# Altium PCB rfid.PcbDoc
Units mm, origin at the board's own origin, x right, y up, seen from the top; angles counter-clockwise.
Board outline 75 x 75 mm, 2 copper layers (Top Layer, Bottom Layer); 15 components, 59 nets, 51 pads, 6 vias.
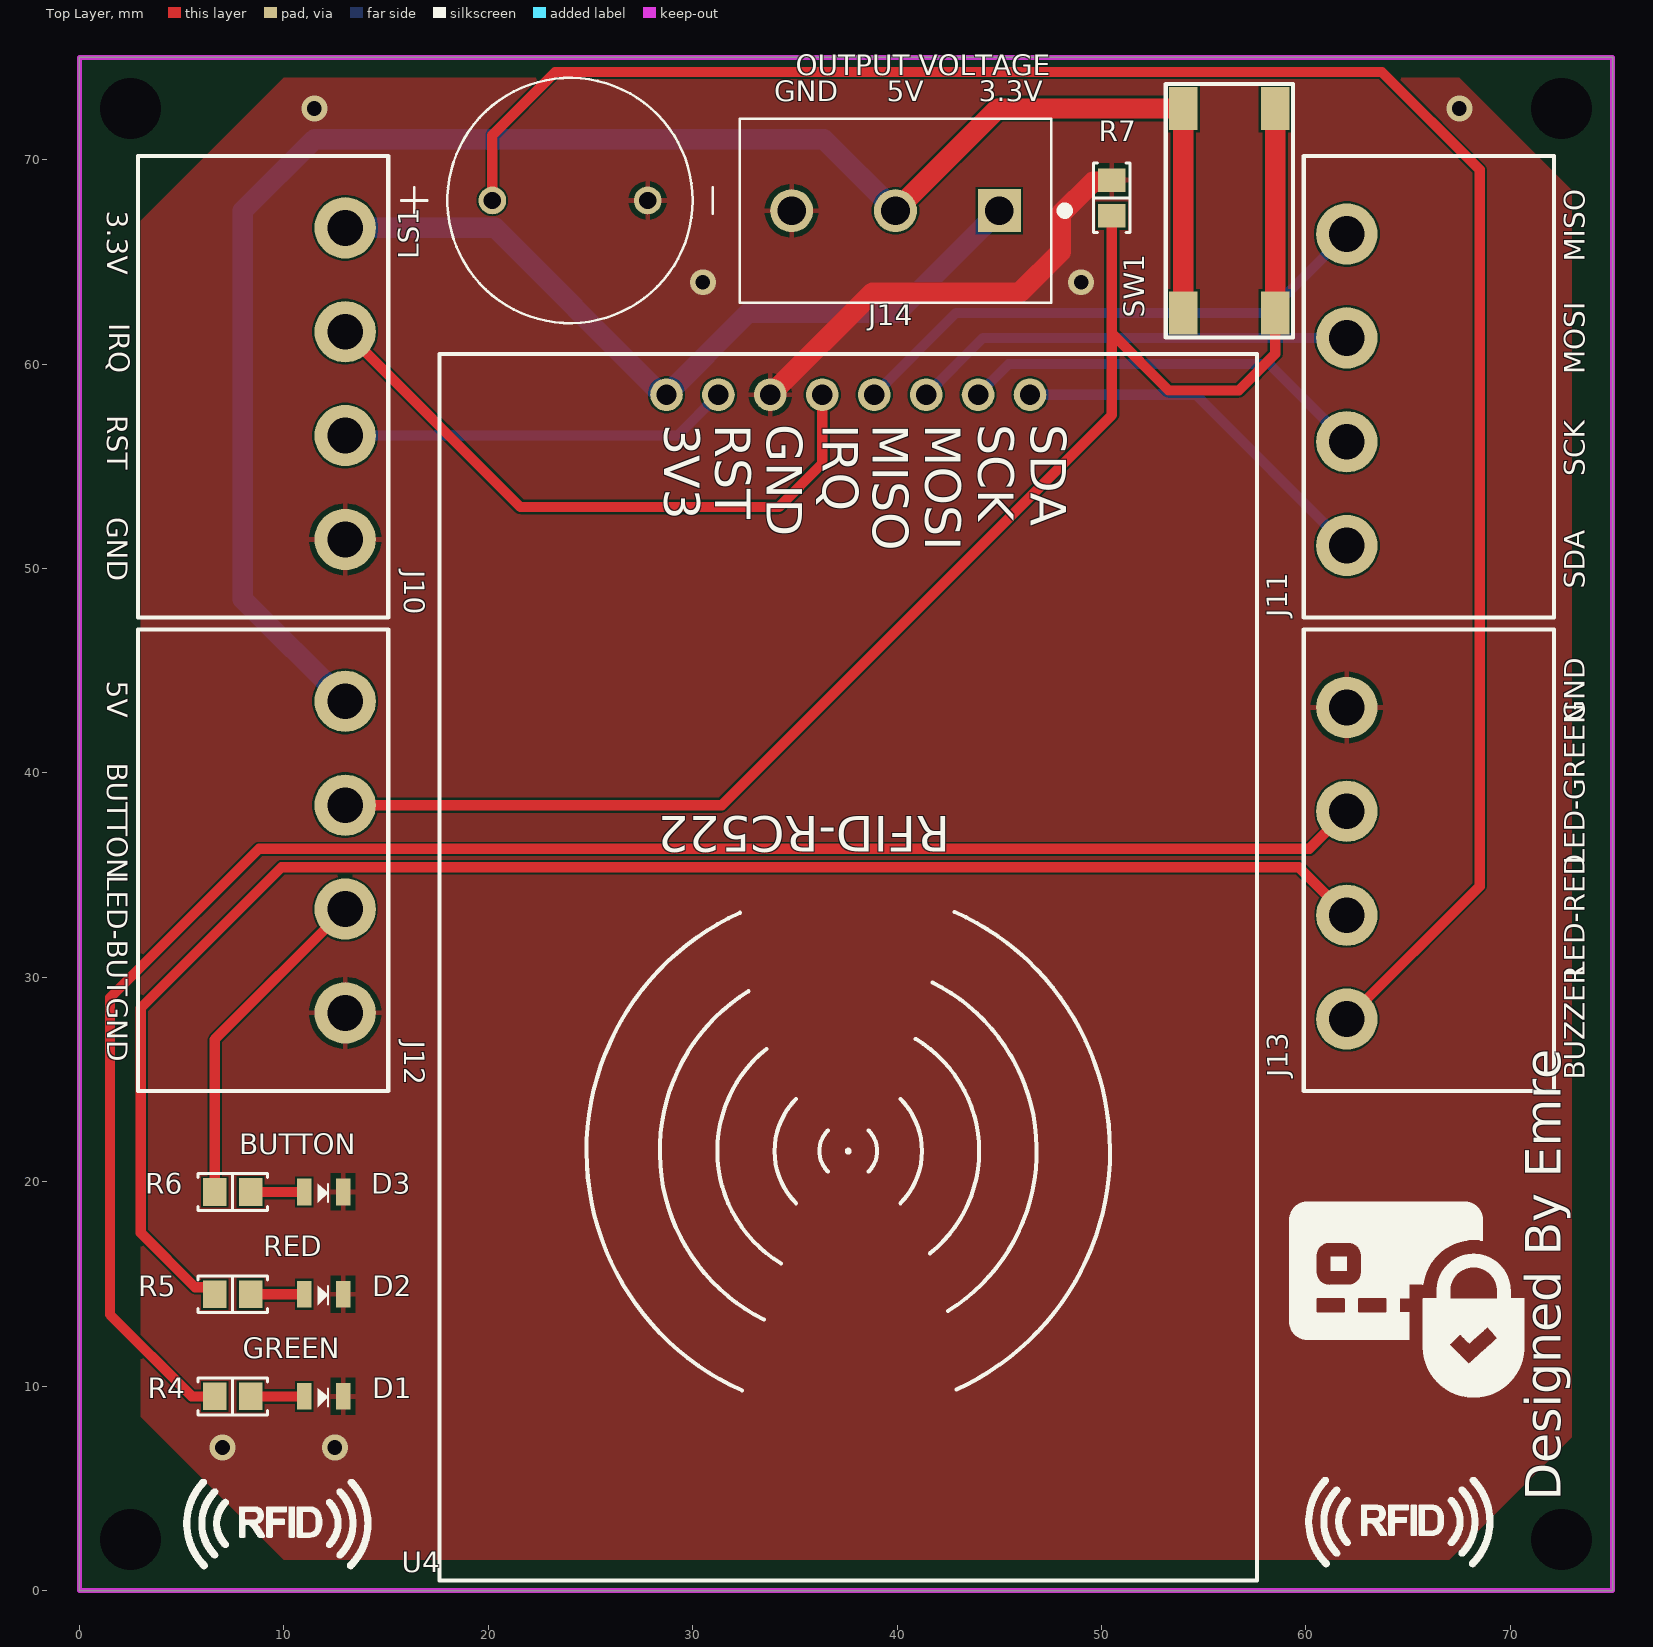
[diagram p0: Top Layer view]
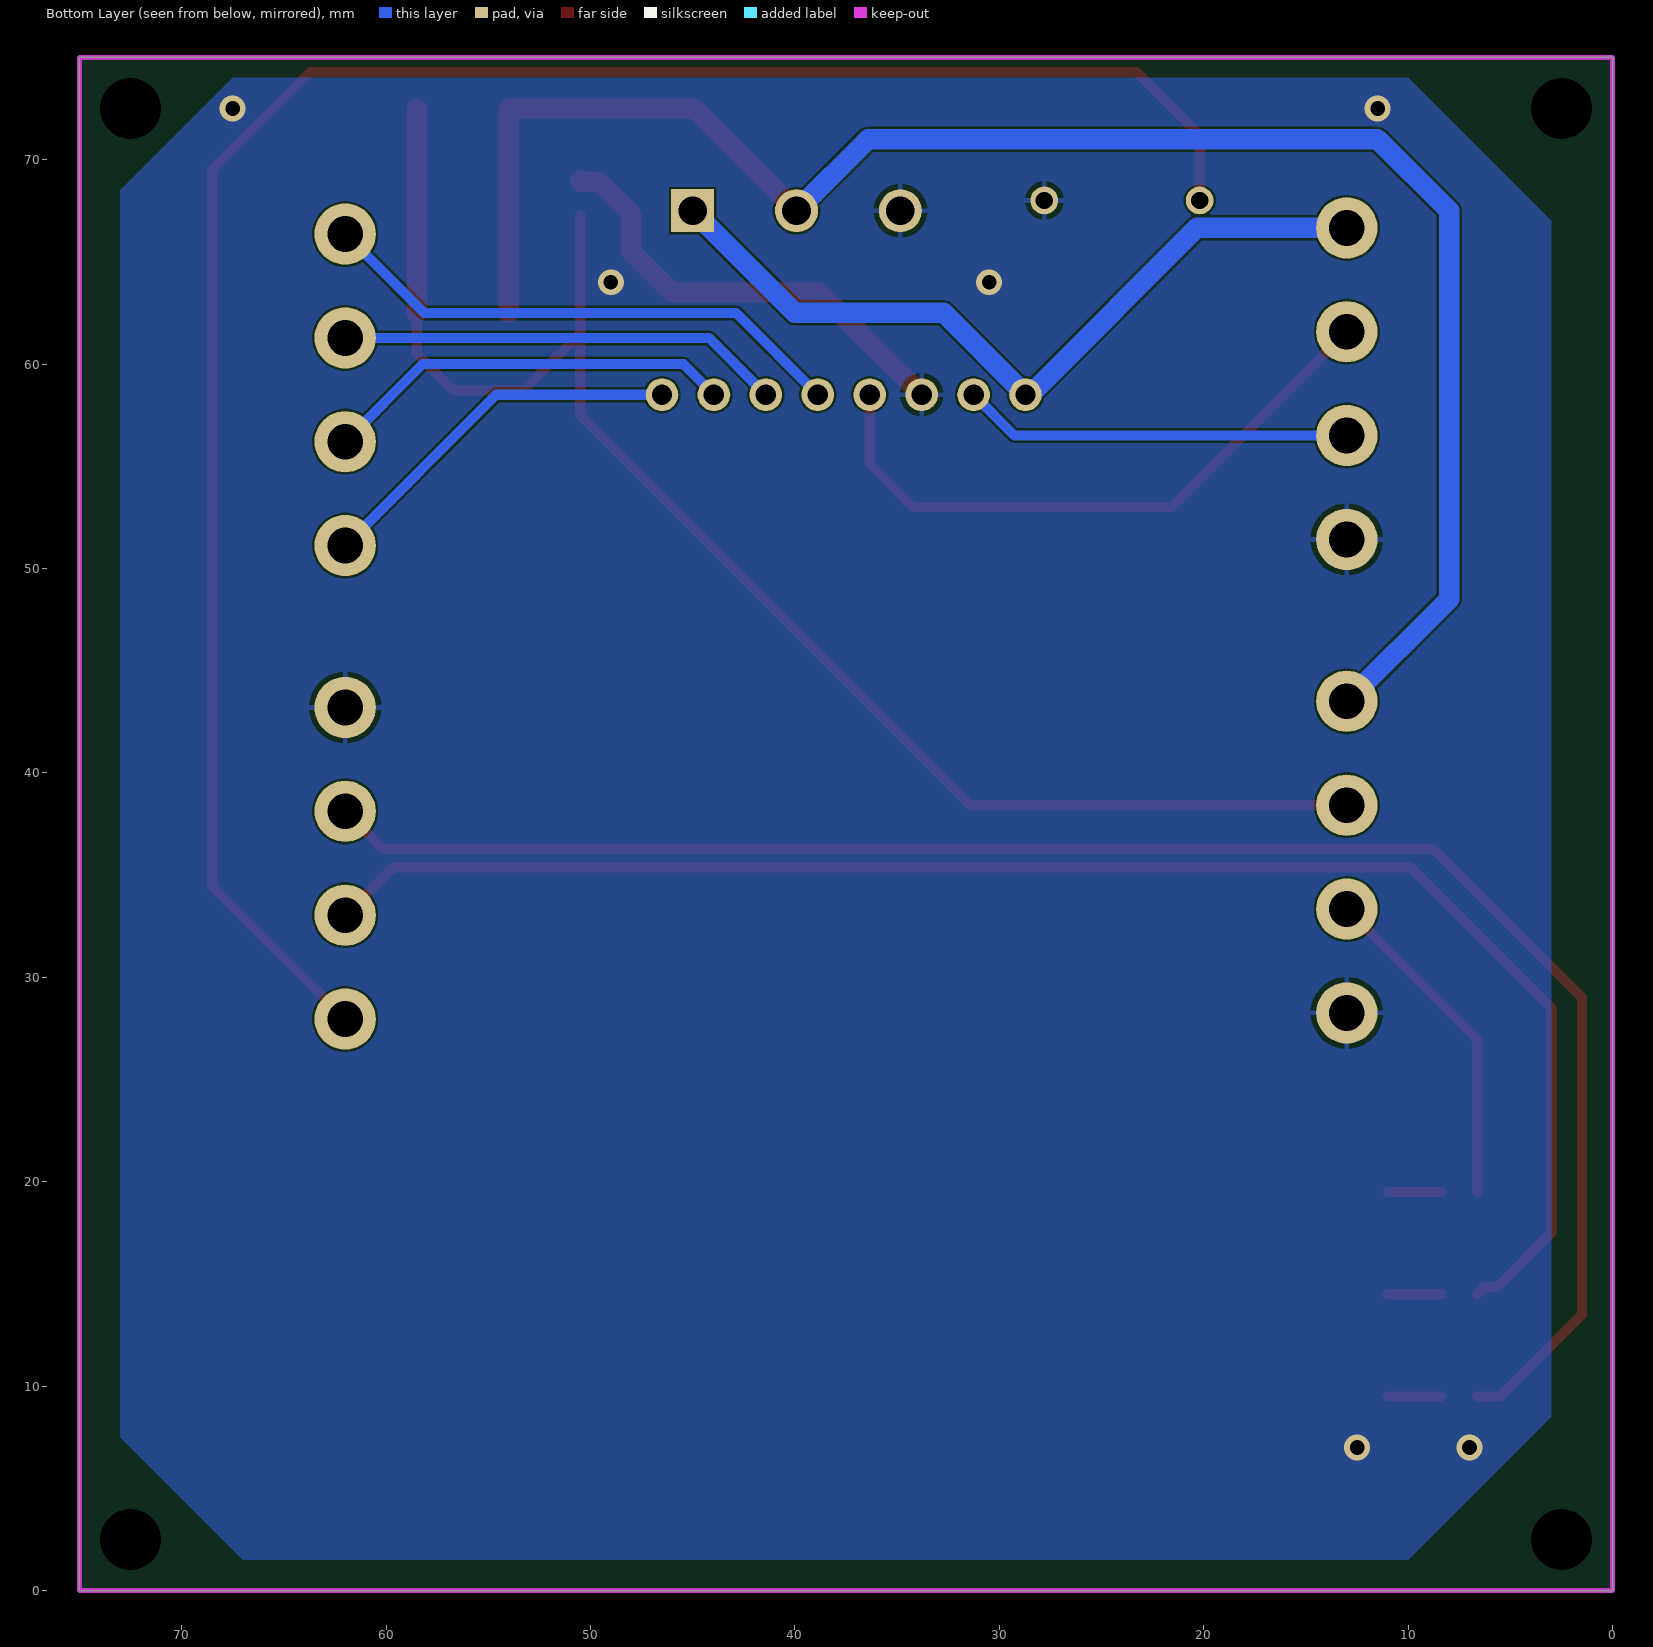
[diagram p1: Bottom Layer view, seen from below]
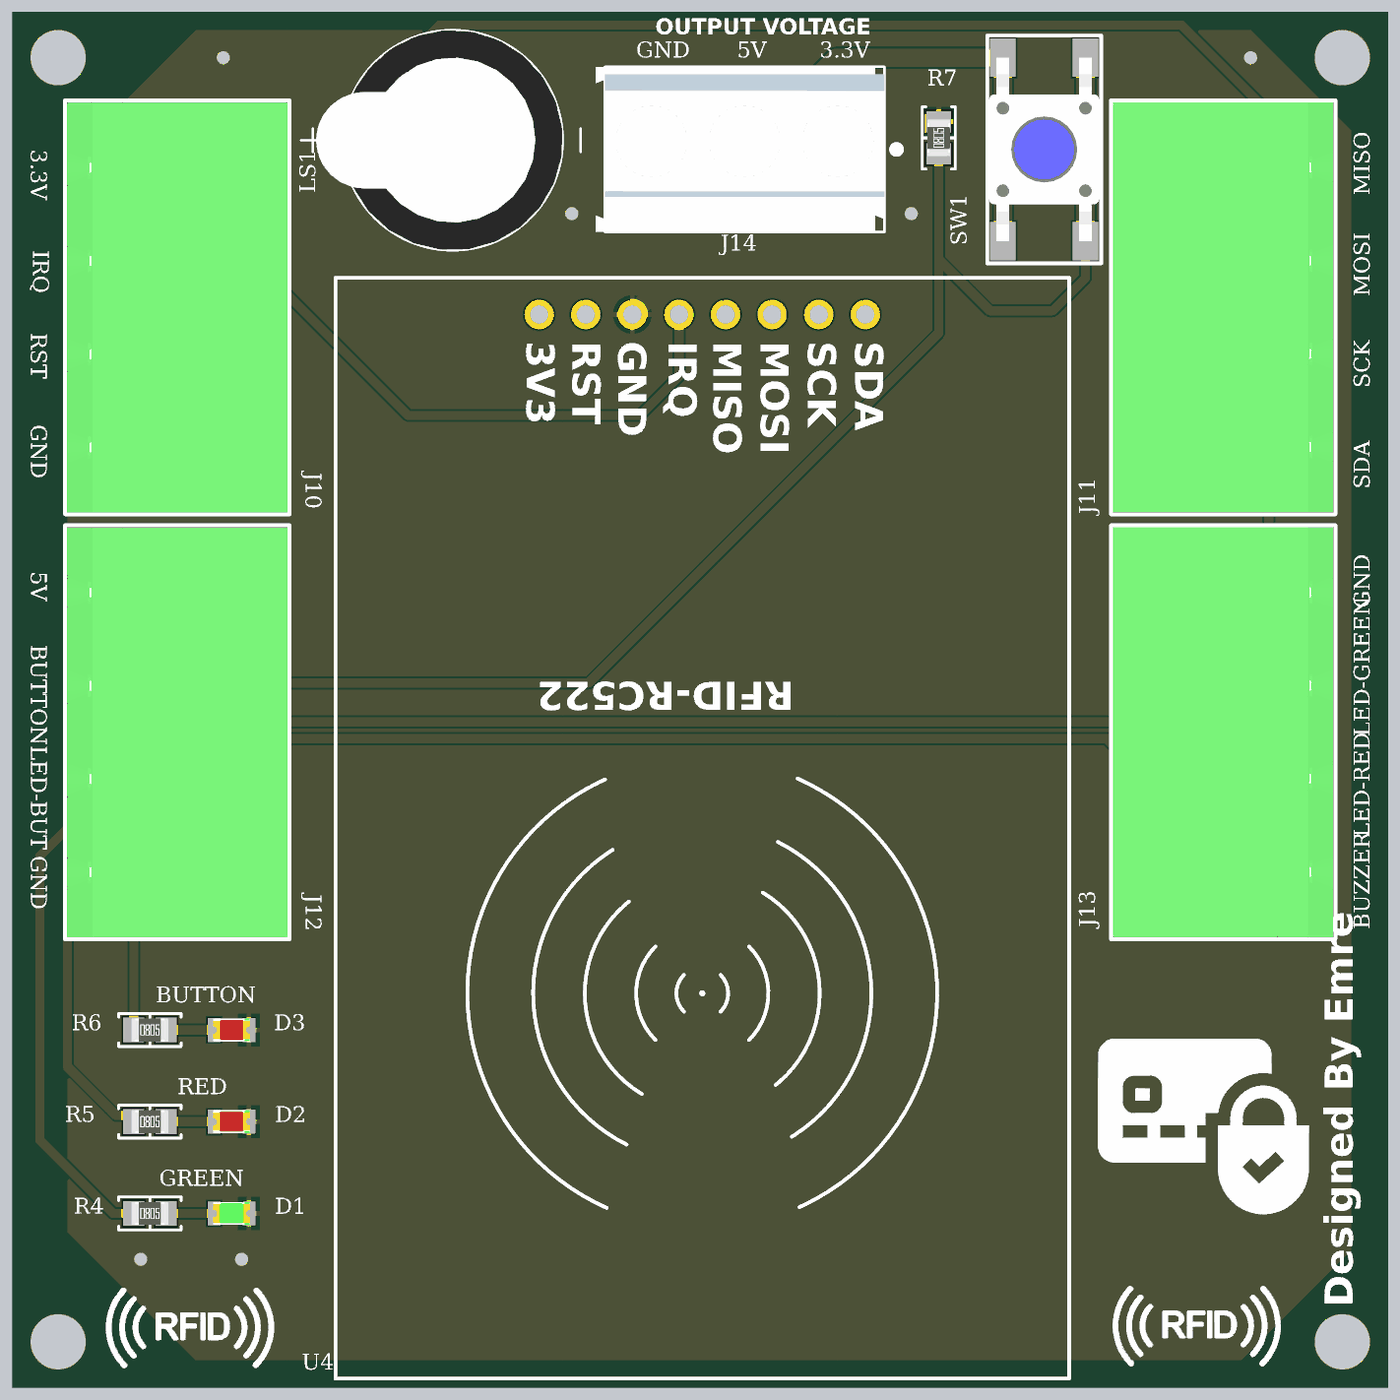
[diagram p2: 3D render of the assembled board from above, using the file's embedded part models]

## Layer stack, top to bottom
Top Solder: solder mask 0.0102, Solder Resist, Dk 3.5
Top Layer: signal copper 0.0356
Dielectric 1: dielectric 0.32, FR-4, Dk 4.8
Bottom Layer: signal copper 0.0356
Bottom Solder: solder mask 0.0102, Solder Resist, Dk 3.5

## Board outline
0,0 0,75 75,75 75,0

## Design rules (kind name [scope] priority, off if disabled: settings)
Clearance [All] p1: gap=0.102 ignorepadtopadclearanceinfootprint=FALSE
HoleSize [All] p1: absolutevalues=TRUE maxlimit=3 minlimit=0.025 maxpercent=80.000 minpercent=20.000
PolygonConnect [All] p1: connectstyle=Relief reliefconductorwidth=0.254 reliefentries=4 polygonreliefangle="90 Angle" airgapwidth=0.254
RoutingVias [All] p1: holewidth=0.25 width=0.6 viastyle="Through Hole" minholewidth=0.2 minwidth=0.45 maxholewidth=1 maxwidth=1.6
SilkToSolderMaskClearance [IsPad] p1: minsilkscreentomaskgap=0.055 clearancetoexposedcopper=TRUE
SolderMaskExpansion [All] p1: expansion=0.102 istentingtop=FALSE
Width [All] p1: maxlimit=1 minlimit=0.102 preferedwidth=0.3
28 further rules are at their usual default settings.

## Components (designator, comment, footprint, x,y, rotation, side; value= is the part's Value field where it differs from the comment)
D1 "LTST-C171GKT" LED_GREEN_0805 11.95,9.5 r180 top
D2 "LH R974-LP-1-0-20-R18" LED_RED_0805 11.95,14.5 r180 top
D3 "LH R974-LP-1-0-20-R18" LED_RED_0805 11.95,19.5 r180 top
J10 "1757268" CONNECTOR_4Pin 13,59.04 r270 top
J11 "1757268" CONNECTOR_4Pin 62,58.739 r90 top
J12 "1757268" CONNECTOR_4Pin 13,35.88 r270 top
J13 "1757268" CONNECTOR_4Pin 62,35.579 r90 top
J14 "282841-3" CONNECTOR_3Pin 39.92,67.5 r180 top
LS1 "AI-1223-TWT-12V-R" BUZZER 24,68 r90 top
R4 "330 Ohms" "RES 0805_2012" 7.5,9.5 r0 top
R5 "330 Ohms" "RES 0805_2012" 7.5,14.5 r0 top
R6 "330 Ohms" "RES 0805_2012" 7.5,19.5 r0 top
R7 "10 kOhms" "RES 0805_2012" 50.5,68.125 r90 top
SW1 "BUTTON" BUTTON 56.25,67.5 r90 top
U4 "RFID-RC522" RFID-RC522 37.61,58.5 r180 top

## Footprints (in the part's own frame and the unit in brackets; to place one, negate y for a bottom-side part, rotate by r counter-clockwise, add the part's x,y. Pads: shape width x height; smd on the part's side, far side on the other; paste and mask are expansions set on the pad)
BUTTON [mm]
  rect 2.1x1.4 smd mask+0.05: 1(-5,2.25) 2(5,2.25) 3(-5,-2.25) 4(5,-2.25)
  silkscreen extent -6.21,-3.11 6.21,3.11, body extent -5,-3 5,3, height 4.3
BUZZER [mm]
  round 1.358 hole 0.85: N(0,-3.8) P(0,3.8)
  silkscreen extent -6,-6.98 6,8.25, body extent -6,-6 6,7.44, height 10.05
CONNECTOR_3Pin [mm]
  rect 2.1x2.1 / inner round 2.1 / far side rect 2.1x2.1 hole 1.4: 1(-5.08,0)
  round 2.1 hole 1.4: 2(0,0) 3(5.08,0)
  silkscreen extent -8.48,-4.5 7.62,4.5, body extent -7.62,-4.5 8.12,4.5, height 15.2
CONNECTOR_4Pin [mm]
  round 3 hole 1.75 mask+0.05: 1(-7.62,0) 2(-2.54,0) 3(2.54,0) 4(7.62,0)
  silkscreen extent -11.13,-10.12 11.43,2.11, body extent -11,-10 11.32,2, height 8.57
LED_GREEN_0805 [mm]
  rect 0.7x1.3 smd mask+0.05: 1(-0.95,0) 2(0.95,0)
  silkscreen extent -0.22,-0.41 0.29,0.54, body extent -1.01,-0.63 1.01,0.63, height 1.1
LED_RED_0805 [mm]
  rect 0.7x1.3 smd mask+0.05: 1(-0.95,0) 2(0.95,0)
  silkscreen extent -0.22,-0.41 0.29,0.54, body extent -1.01,-0.63 1.01,0.63, height 1.1
"RES 0805_2012" [mm] "Chip Resistor, 2-Leads, Body 2.00x1.25mm, IPC Medium Density"
  rect 1.15x1.35 smd: 1(-0.875,0) 2(0.875,0)
  silkscreen extent -1.7,-0.9 1.7,0.9, body extent -1,-0.62 1,0.63, height 0.6
RFID-RC522 [mm]
  round 1.6 hole 1 mask+0.05: 3V3(8.89,0) GND(3.81,0) IRQ(1.27,0) MISO(-1.27,0) MOSI(-3.81,0) RST(6.35,0) SCK(-6.35,0) SDA(-8.89,0)
  silkscreen extent -20,-2 20,58

## Part data
D1: library part "LED GREEN 0805", "Green 569nm LED Indication - Discrete 2.1V 0805 (2012 Metric)", Case Code (Metric)=2012, Case Code (Imperial)=0805, Color=Green, Forward Current=30mA, Forward Voltage=2.1V, Lens Color=Colorless, Manufacturer="Vishay Lite-On", Max Operating Temperature=85°C, Min Operating Temperature=-55°C, Package Quantity=1, Power Dissipation=100mW, Reverse Voltage=5V, Supplier Part Number 1=160-1423-1-ND, Test Current=10mA, Case/Package=0805, Category=LEDs, ComponentLink1Description=https://datasheet.ciiva.com/2110/ltst-c171gkt-2110000.pdf?src-supplier=Digi-Key, ComponentLink1URL=https://datasheet.ciiva.com/2110/ltst-c171gkt-2110000.pdf?src-supplier=Digi-Key, ComponentLink2Description=https://datasheet.ciiva.com/11773/0900766b80dc0296-11773991.pdf?src-supplier=RSComponents, ComponentLink2URL=https://datasheet.ciiva.com/11773/0900766b80dc0296-11773991.pdf?src-supplier=RSComponents, ComponentLink3Description=https://datasheet.ciiva.com/12400/lite-on-ltst-c171gkt-190133-12400647.pdf?src-supplier=Mouser, ComponentLink3URL=https://datasheet.ciiva.com/12400/lite-on-ltst-c171gkt-190133-12400647.pdf?src-supplier=Mouser, ComponentLink4Description=https://datasheet.ciiva.com/2110/ltst-c171gkt-2110001.pdf?src-supplier=Digi-Key, ComponentLink4URL=https://datasheet.ciiva.com/2110/ltst-c171gkt-2110001.pdf?src-supplier=Digi-Key, ComponentLink5Description=https://datasheet.ciiva.com/2110/ltst-c171gkt-2110002.pdf?src-supplier=Digi-Key, ComponentLink5URL=https://datasheet.ciiva.com/2110/ltst-c171gkt-2110002.pdf?src-supplier=Digi-Key, ComponentLink6Description=https://datasheet.ciiva.com/16396/ltst-c171gkt-16396549.pdf?src-supplier=Future+Electronics, ComponentLink6URL=https://datasheet.ciiva.com/16396/ltst-c171gkt-16396549.pdf?src-supplier=Future+Electronics, Depth=1.25mm, Designed by=EMRE, Dominant Wavelength=569nm, Height=0.8mm, Lead Free="Lead Free", Length=2mm, Lens Style=Diffused,Colorless,Rectangular,Clear, Lens Transparency=Clear, Luminous Intensity=12mcd, Manufacturer Part Number=LTST-C171GKT, Mount="Surface Mount", Number of Elements=1, Number of LEDs=1, Number of Pins=2, Packaging="Tape and Reel", Power Rating=100mW, Pricing 1="1=0,26000, 10=0,14100, 100=0,06560, 500=0,06060, 1000=0,04747 (USD)", Radiation Hardening=No, RoHS=Yes, RoHS Compliant=Yes, Series="CHIPLED 0805", Stock 1=498344, Supplier 1=Digi-Key, Viewing Angle=130°, Wavelength=585nm, Width=1.25mm, Illumination Color=Green
D2 D3: library part "LED RED 0805", "Chipled 0805 Hyp Red 645NM", Case/Package=0805, Forward Voltage=1.8V, Manufacturer="Osram Opto", Manufacturer Part Number=LHR974-LP-1-0-20-R18, Supplier Part Number 1=475-LHR974-LP-1-0-20-R18TR-ND, Category=LEDs, ComponentLink1Description=https://www.verical.com/server-webapp/html/getDatasheet?partID=752067&src-supplier=Verical, ComponentLink1URL=https://www.verical.com/server-webapp/html/getDatasheet?partID=752067&src-supplier=Verical, Designed by=EMRE, Lead Free="Lead Free", Lens Style=Diffused, Luminous Intensity=15mcd, RoHS=Yes, RoHS Compliant=Yes, Supplier 1=Digi-Key, Viewing Angle=160°, Wavelength=660nm
J10 J11 J12 J13: library part CONNECTOR_4Pin, "Terminal Header; 12 A; 5.08 mm; 4; Solder Mount; 1.4 mm; 4 kV; 250 V; PBT", Color=Green, Current=15A, Current Rating=12A, Flammability Rating="UL94 V-0", Manufacturer="Phoenix Contact", Package Quantity=50, Supplier Part Number 1=277-1108-ND, Voltage=300V, Voltage Rating=250V, Approvals=UL,CSA, Category="Terminal Blocks", ComponentLink1Description=https://datasheet.ciiva.com/16096/1757268-16096406.pdf?src-supplier=Onlinecomponents.com, ComponentLink1URL=https://datasheet.ciiva.com/16096/1757268-16096406.pdf?src-supplier=Onlinecomponents.com, ComponentLink2Description=https://datasheet.ciiva.com/15197/getdatasheetpartid-176352-15197330.pdf?src-supplier=Verical, ComponentLink2URL=https://datasheet.ciiva.com/15197/getdatasheetpartid-176352-15197330.pdf?src-supplier=Verical, ComponentLink3Description=https://datasheet.ciiva.com/795/1757268-795434.pdf?src-supplier=Digi-Key, ComponentLink3URL=https://datasheet.ciiva.com/795/1757268-795434.pdf?src-supplier=Digi-Key, ComponentLink4Description=https://datasheet.ciiva.com/7630/1697153-7630841.pdf?src-supplier=Element14, ComponentLink4URL=https://datasheet.ciiva.com/7630/1697153-7630841.pdf?src-supplier=Element14, ComponentLink5Description=https://datasheet.ciiva.com/29210/569323-da-01-en-grundgehaeuse-1757268-250-st-29210575.pdf?src-supplier=Conrad, ComponentLink5URL=https://datasheet.ciiva.com/29210/569323-da-01-en-grundgehaeuse-1757268-250-st-29210575.pdf?src-supplier=Conrad, ComponentLink6Description=https://datasheet.ciiva.com/16703/70054631-16703596.pdf?src-supplier=Allied+Electronics, ComponentLink6URL=https://datasheet.ciiva.com/16703/70054631-16703596.pdf?src-supplier=Allied+Electronics, Connector Type=Plug, Contact Material=Tin, Contact Plating=Tin, Depth=12mm, Gender=Male, Height=12.1mm, Housing Color=Green, Housing Material=Polybutylene, Lead Free="Lead Free", Length=22.32mm, Manufacturer Part Number=1757268, Max Current Rating=12A, Mount="Through Hole", Number of Contacts=4, Number of Levels=1, Number of Poles=4, Number of Positions=4, Number of Positions Per Level=4, Number of Rows=1, Orientation="Right Angle", Packaging=Bulk, Pitch=5.08mm, Pricing 1="1=1,62, 10=1,484, 50=1,419, 100=1,3803, 250=1,29, 500=1,1868, 1000=1,0965, 2500=1,0449, 5000=0,9804 (USD)", Reach SVHC Compliant=No, RoHS=Yes, RoHS Compliant=Yes, Series=MSTBA, Stock 1=17192, Supplier 1=Digi-Key, Termination=Solder, Voltage Rating (DC)=250V, Weight=5.396916oz, Width=22.24mm
J14: library part CONNECTOR_3Pin, "Conn Terminal Block 3 POS 5.08mm Solder ST Thru-Hole 17.5A/Contact", Color=Green, Current=17.5A, Flammability Rating="UL94 V-0", Manufacturer="TE Connectivity", Max Operating Temperature=105°C, Max Supply Voltage (AC)=300V, Min Operating Temperature=-40°C, Package Quantity=200, Supplier Part Number 1=A98343-ND, Category="Terminal Blocks", Closed End="No (Without)", ComponentLink1Description=https://datasheet.ciiva.com/26824/getdatasheetpartid-155857-26824002.pdf?src-supplier=Verical, ComponentLink1URL=https://datasheet.ciiva.com/26824/getdatasheetpartid-155857-26824002.pdf?src-supplier=Verical, ComponentLink2Description=https://datasheet.ciiva.com/23766/eng-cd-282841-h6-23766144.pdf?src-supplier=Newark, ComponentLink2URL=https://datasheet.ciiva.com/23766/eng-cd-282841-h6-23766144.pdf?src-supplier=Newark, ComponentLink3Description=https://datasheet.ciiva.com/30238/eng-cs-1308389-eurostyle-terminal-blocks-0607-30238440.pdf?src-supplier=Onlinecomponents.com, ComponentLink3URL=https://datasheet.ciiva.com/30238/eng-cs-1308389-eurostyle-terminal-blocks-0607-30238440.pdf?src-supplier=Onlinecomponents.com, ComponentLink4Description=https://datasheet.ciiva.com/823/eng-cd-282841-h6-823465.pdf?src-supplier=Digi-Key, ComponentLink4URL=https://datasheet.ciiva.com/823/eng-cd-282841-h6-823465.pdf?src-supplier=Digi-Key, Connector Type=Receptacle, Contact Material=Brass, Contact Plating=Tin, Current Rating=17.5A, Depth=9mm, ELV=Compliant, Housing Color=Green, Housing Material=Polyamide, Lead Free="Lead Free", Length=15.24mm, Manufacturer Part Number=282841-3, Max Current Rating=17.5A, Max Voltage Rating (AC)=300V, Mount="Through Hole", Number of Circuits=3, Number of Contacts=3, Number of Levels=1, Number of Poles=3, Number of Positions=3, Number of Positions Per Level=3, Number of Rows=1, Orientation=Straight, Packaging=Carton, Pitch=5.08mm, Plating=Brass, Pricing 1="1=1,53, 10=1,401, 25=1,3596, 50=1,346, 100=1,2493, 250=1,22864, 500=1,1182, 1000=1,00085, 5000=0,89732 (USD)", Radiation Hardening=No, Reach SVHC Compliant=Unknown, RoHS=Yes, RoHS Compliant=Yes, Screw Flange="No (Without)", Screwless Terminal Block="Yes (With)", Series=Buchanan, Side Stackable="No (Without)", Stock 1=17891, Supplier 1=Digi-Key, Tail Length=3.5mm, Termination=Solder, Thread Size=M3, Voltage=300V, Voltage Rating=300V, Wire Gauge (Max)=30AWG, Wire Gauge (Min)=30AWG, Wire/Cable Gauge=30AWG, Interlock="Yes (With)"
LS1: library part BUZZER
R4 R5 R6: library part ESR10EZPJ331, "RES SMD 330 OHM 5% 0.4W 0805", Device Package="0805 (2012 Metric)", Manufacturer="Rohm Semiconductor", Operating Temperature="-55°C ~ 155°C", Power (Watts)="0.4W, 2/5W", Ratings=AEC-Q200, Supplier Device Package=0805, Supplier Part Number 1=RHM330KCT-ND, Temperature Coefficient=±200ppm/°C, Tolerance=±5%, ComponentLink1Description=Datasheet, ComponentLink1URL=https://www.rohm.com/datasheet/ESR01MZPF/esr-e, ComponentLink2Description="DigiKey Link", ComponentLink2URL=https://www.digikey.com/en/products/detail/rohm-semiconductor/ESR10EZPJ331/1762807, Composition="Thick Film", Features="Automotive AEC-Q200, Pulse Withstanding", Height - Seated (Max)="0.026\" (0.65mm)", LastUpdated="1.05.2023 19:42:01", Lifecycle Status=Active, Minimum Order=1, Number of Terminations=2, Package / Case="0805 (2012 Metric)", Packaging=TapeAndReel, Part Number=ESR10EZPJ331, Part Status=Active, PartId=32307, Price=0.01, Resistance="330 Ohms", Series=ESR, Size / Dimension="0.079\" L x 0.049\" W (2.00mm x 1.25mm)", Supplier 1=DigiKey
R7: library part RT0805DRD0710KL, "RES SMD 10K OHM 0.5% 1/8W 0805", Device Package="0805 (2012 Metric)", Manufacturer=Yageo, Operating Temperature="-55°C ~ 155°C", Power (Watts)="0.125W, 1/8W", Supplier Device Package=0805, Supplier Part Number 1=311-2699-1-ND, Temperature Coefficient=±25ppm/°C, Tolerance=±0.5%, ComponentLink1Description=Datasheet, ComponentLink1URL=https://www.yageo.com/upload/media/product/productsearch/datasheet/rchip/PYu-RT_1-to-0.01_RoHS_L_11.pdf, ComponentLink2Description="DigiKey Link", ComponentLink2URL=https://www.digikey.com/en/products/detail/yageo/RT0805DRD0710KL/1077814, Composition="Thin Film", Height - Seated (Max)="0.024\" (0.60mm)", LastUpdated="1.05.2023 19:42:19", Lifecycle Status=Active, Minimum Order=1, Number of Terminations=2, Package / Case="0805 (2012 Metric)", Packaging=TapeAndReel, Part Number=RT0805DRD0710KL, Part Status=Active, PartId=27797, Price=0.02, Resistance="10 kOhms", Series=RT, Size / Dimension="0.079\" L x 0.049\" W (2.00mm x 1.25mm)", Supplier 1=DigiKey
SW1: "4-pins"

## Free pads (board coordinates)
  rect 0x0 hole 3 mask+0.05: ""(2.5,2.5) ""(2.5,72.5) ""(72.5,2.5) ""(72.5,72.5)

## Via types
v1: diameter 1.27, hole 0.711, Top Layer to Bottom Layer, tented both sides, 6 vias

## Nets (pads, with @x,y where several pads share a name; then routed paths per layer and width w, separated by ;. In a path a pad name is that pad's centre, name@x,y a point inside that pad or via, vN(x,y) a via of type N, cw(c..) or ccw(c..) an arc to the next point about the centre after c; other vN are vias at no path point)
3V3DC: 
3V3DC_P: 
3V3DC_R: J10.1 J14.1 U4.3V3 | length 39.1
  Bottom Layer w1: J10.1 20.34,66.66 28.2,58.8 28.258,58.8 28.558,58.5 U4.3V3 32.72,62.5 40,62.5 J14.1
5VDC: 
5VDC_P: 
5VDC_R: J12.1 J14.2 SW1.1 SW1.2 | length 87
  Top Layer w1: J14.2 44.92,72.5 SW1.2 SW1.1
  Bottom Layer w1: J12.1 8,48.5 8,67.5 11.5,71 36.42,71 J14.2
12VDC: 
BUTTON: 
BUTTON_R: J12.2 R7.1 SW1.3 SW1.4 | length 77.1
  Top Layer w0.5: J12.2 31.42,38.42 50.5,57.5 50.5,61.5 ; R7.1 50.5,61.5 ; SW1.3 58.5,60.5 56.707,58.707 53.293,58.707 50.5,61.5
  Top Layer w1: SW1.3 SW1.4
BUZZER: 
BUZZER_R: J13.1 LS1.P | length 99
  Top Layer w0.5: LS1.P 20.2,71.2 23.281,74.281 63.719,74.281 68.5,69.5 68.5,34.459 J13.1
D12: 
D13: 
D14: 
D15: 
D32: 
D33: 
D34: 
D35: 
EN: 
GND: 
GND_P: 
GND_R: D1.1 D2.1 D3.1 J10.4 J12.4 J13.4 J14.3 LS1.N R7.2 U4.GND | length 22.1
  Top Layer w1: U4.GND 38.8,63.5 46,63.5 48,65.5 48,67.339 49.586,68.925 50.425,68.925 R7.2
  other v1: 7,7 12.5,7 30.5,64 49,64 11.5,72.5 67.5,72.5
IRQ: 
IRQ_R: J10.2 U4.IRQ | length 31.1
  Top Layer w0.5: J10.2 21.58,53 34.207,53 36.34,55.133 U4.IRQ
LED_BUTTON: 
LED_BUTTON_R: J12.3 R6.1 | length 16.5
  Top Layer w0.5: R6.1 6.625,26.965 J12.3
LED_KIRMIZI: 
LED_KIRMIZI_R: J13.2 R5.1 | length 78.7
  Top Layer w0.5: R5.1 6.625,14.518 6.3,14.843 5.657,14.843 3,17.5 3,28.5 9.886,35.386 59.653,35.386 J13.2
LED_YESIL: 
LED_YESIL_R: J13.3 R4.1 | length 86.6
  Top Layer w0.5: R4.1 5.5,9.5 1.5,13.5 1.5,29 8.785,36.285 60.165,36.285 J13.3
MISO: 
MISO_R: J11.4 U4.MISO | length 26.4
  Bottom Layer w0.5: U4.MISO 42.88,62.5 58.141,62.5 J11.4
MOSI: 
MOSI_R: J11.3 U4.MOSI | length 21.7
  Bottom Layer w0.5: U4.MOSI 44.199,61.279 J11.3
NetD1_2: D1.2 R4.2 | length 2.6
  Top Layer w0.5: R4.2 D1.2
NetD2_2: D2.2 R5.2 | length 2.6
  Top Layer w0.5: R5.2 D2.2
NetD3_2: D3.2 R6.2 | length 2.6
  Top Layer w0.5: R6.2 D3.2
NetD4_2: 
NetD5_2: 
NetD6_2: 
NetD7_2: 
NetF1_2: 
NetR3_1: 
PIR_SENSOR: 
PIR_SENSOR_P: 
RST: 
RST_R: J10.3 U4.RST | length 19.1
  Bottom Layer w0.5: J10.3 29.26,56.5 U4.RST
RX0: 
RX2: 
SCK: 
SCK_R: J11.2 U4.SCK | length 20.2
  Bottom Layer w0.5: U4.SCK 45.46,60 58.199,60 J11.2
SDA: 
SDA_R: J11.1 U4.SDA | length 18.6
  Bottom Layer w0.5: U4.SDA 54.619,58.5 J11.1
TX0: 
TX2: 
VIN: 
VN: 
VP: 

## Polygon pours and split planes (outlines as drawn)
GND_R on Top Layer "GND_R_L01_P002" (solid, remove dead copper, pour order 2): 10,74 8.5,72.5 3,67 3,65 3,8.5 10,1.5 67,1.5 73,7.5 73,68.5 67.5,74 38,74
GND_R on Top Layer "GND_R_L01_P000" (solid, pour order 0): 10.5,29 12,30.5 14,30.5 15.5,29 15.5,9 14,7.5 12.5,7.5 12,8 12,25.5 10.5,27
GND_R on Bottom Layer "GND_R_L02_P003" (solid, remove dead copper, pour order 3): 10,74 8.5,72.5 3,67 3,65 3,8.5 10,1.5 67,1.5 73,7.5 73,68.5 67.5,74 38,74

## Keep-outs
Keep-Out Layer:
  the board outline again, w0.254

## Silkscreen, mask and mechanical layers (free items; w line width, h text height)
Top Overlay:
  drawing of 23 lines, arcs and shapes, not listed
  text "OUTPUT VOLTAGE" at 35.049,73.777 h1.7
  text "GND" at 34,72.513 h1.7
  text "5V" at 39.5,72.513 h1.7
  text "3.3V" at 44,72.513 h1.7
  text "3.3V" at 1.013,67.5 h1.7 r270
  text "MISO" at 73.987,65 h1.7 r90
  text "IRQ" at 1.129,62 h1.7 r270
  text "MOSI" at 73.987,59.5 h1.7 r90
  text "RST" at 1.013,57.5 h1.7 r270
  text "SCK" at 73.987,54.5 h1.7 r90
  text "GND" at 1.013,52.5 h1.7 r270
  text "SDA" at 73.987,49 h1.7 r90
  text "5V" at 1.013,44.5 h1.7 r270
  text "GND" at 73.987,42.5 h1.7 r90
  text "BUTTON" at 1.013,40.5 h1.7 r270
  text "LED-GREEN" at 73.987,35.5 h1.7 r90
  text "LED-BUT" at 1.013,35 h1.7 r270
  text "LED-RED" at 73.98,30 h1.7 r90
  text "GND" at 1.013,29 h1.7 r270
  text "BUZZER" at 73.98,25 h1.7 r90
  text "BUTTON" at 7.817,21.005 h1.7
  text "RED" at 9,16.005 h1.7
  text "GREEN" at 8,11.013 h1.7
  text "Designed By Emre" at 73.061,4.401 h3 r90
Drill Drawing:
  the board outline again, w0.2

## Dimensions
0,75 to 0,0 on Drill Drawing
0,0 to 75,0 on Drill Drawing

## Text inside footprints (layer, text, board x,y; h text height)
U4: Top Overlay "SDA" at 45.944,57.052 h3 r270; Top Overlay "SCK" at 43.371,57.052 h3 r270; Top Overlay "MOSI" at 40.797,57.052 h3 r270; Top Overlay "MISO" at 38.224,57.052 h3 r270; Top Overlay "IRQ" at 35.78,57.052 h3 r270; Top Overlay "GND" at 33.028,57.052 h3 r270; Top Overlay "RST" at 30.528,57.052 h3 r270; Top Overlay "3V3" at 28.028,57.052 h3 r270